# Altium PCB 769BI_LTDC.PcbDoc (part 1 of 3) (continued)
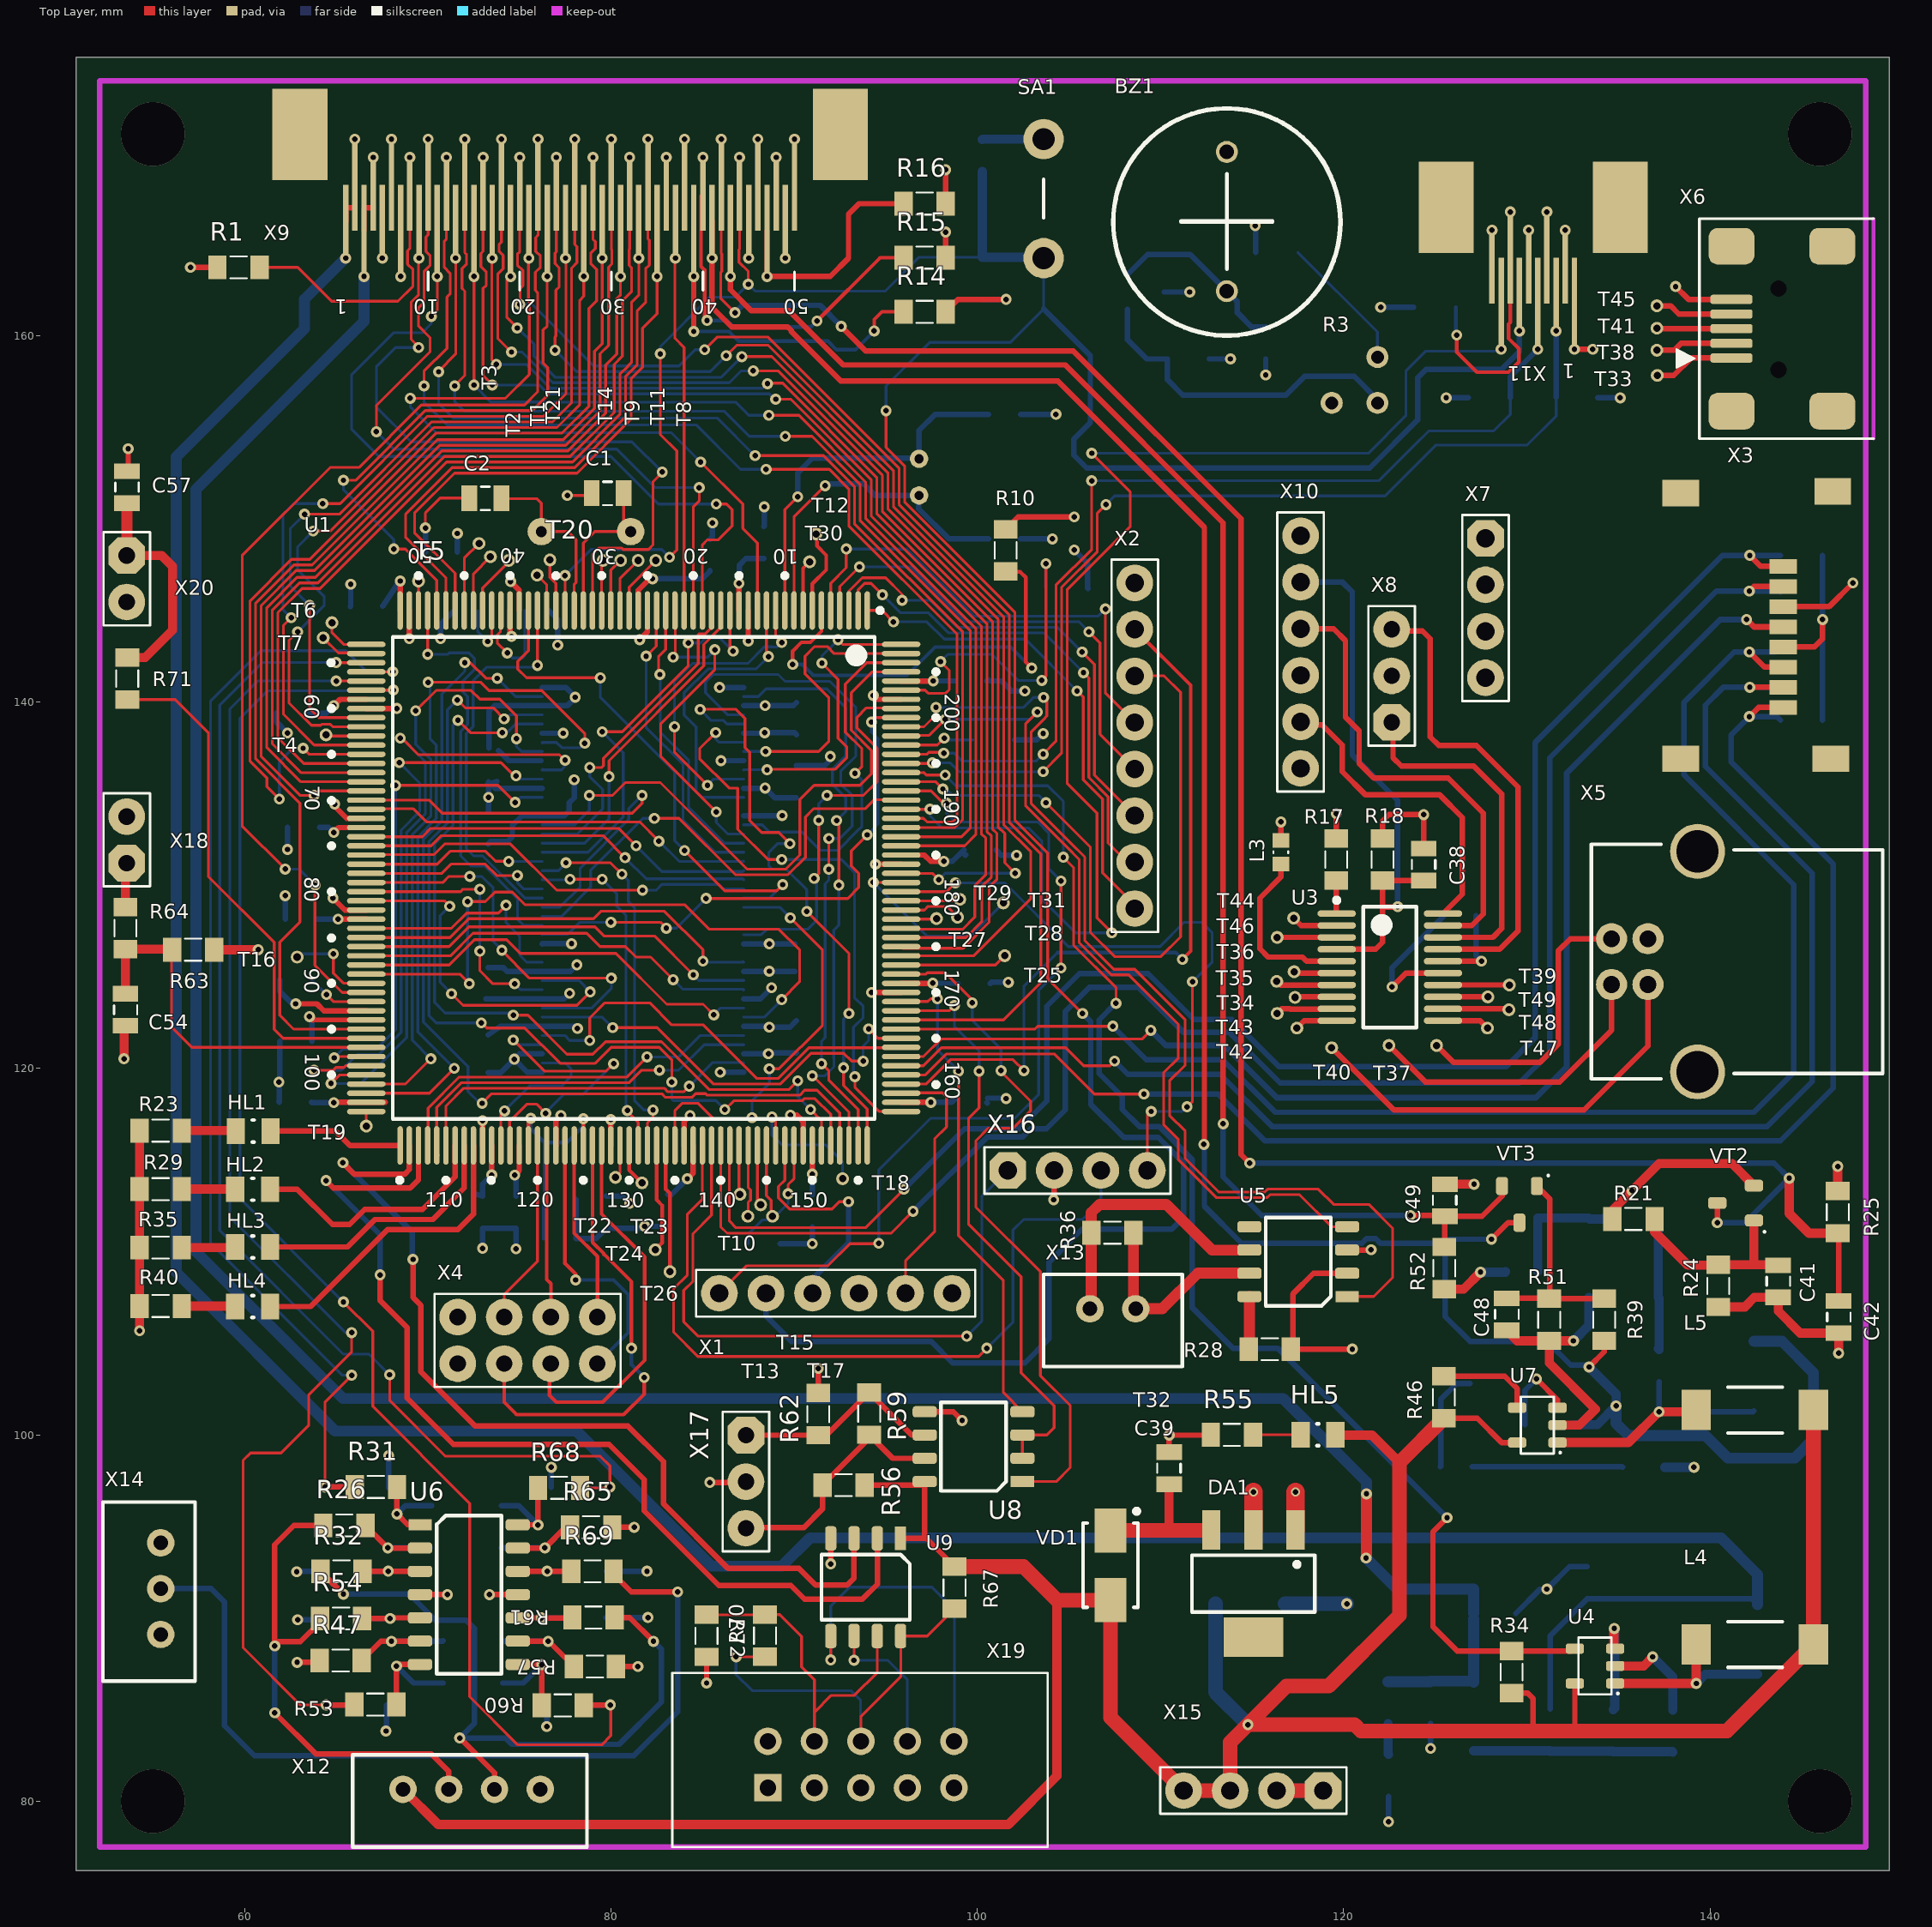
[diagram p0: Top Layer view]
## Components (designator, comment, footprint, x,y, rotation, side; value= is the part's Value field where it differs from the comment) (continued)
R25 "Val" RES0805 146.975,112.15 r90 top
R26 "Val" RES0805 65.45,95.05 r180 top
R27 "Val" RES0805 70.225,94.975 r270 bottom
R28 "Val" RES0805 115.975,104.675 r0 top
R29 "Val" RES0805 55.425,113.408 r0 top
R30 "Val" RES0805 131.275,83.875 r90 bottom
R31 "Val" RES0805 67.175,97.15 r0 top
R32 "Val" RES0805 65.3,92.55 r180 top
R33 "Val" RES0805 134.725,83.85 r90 bottom
R34 "Val" RES0805 129.175,87.05 r270 top
R35 "Val" RES0805 55.425,110.217 r0 top
R36 "Val" RES0805 107.375,111.025 r0 top
R37 "Val" RES0805 132.575,99.4 r90 bottom
R38 "Val" RES0805 126.9,103.95 r90 bottom
R39 "Val" RES0805 134.225,106.275 r270 top
R40 "Val" RES0805 55.425,107.025 r0 top
R41 "Val" RES0805 129.9,99.4 r90 bottom
R42 "Val" RES0805 137.975,83.825 r270 bottom
R43 "Val" RES0805 128.25,90.25 r180 bottom
R44 "Val" RES0805 124.748,85.4 r90 bottom
R45 "Val" RES0805 122.425,85.375 r90 bottom
R46 "Val" RES0805 125.475,102.05 r270 top
R47 "Val" RES0805 65.25,87.675 r180 top
R48 "Val" RES0805 70.85,87.6 r90 bottom
R49 "Val" RES0805 122.45,81.4 r270 bottom
R50 "Val" RES0805 136.375,98.225 r180 bottom
R51 "Val" RES0805 131.225,106.275 r90 top
R52 "Val" RES0805 125.5,109.1 r90 top
R53 "Val" RES0805 67.15,85.275 r0 top
R54 "Val" RES0805 65.275,89.975 r180 top
R55 "Val" RES0805 113.9,100 r0 top
R56 "Val" RES0805 92.7,97.25 r180 top
R57 "Val" RES0805 79.125,87.35 r0 top
R58 "Val" RES0805 74.1,87.6 r90 bottom
R59 "Val" RES0805 94.1,101.15 r90 top
R60 "Val" RES0805 77.375,85.225 r180 top
R61 "Val" RES0805 79.05,90.025 r0 top
R62 "Val" RES0805 91.325,101.125 r90 top
R63 "Val" RES0805 57.2,126.475 r0 top
R64 "Val" RES0805 53.5,127.653 r270 top
R65 "Val" RES0805 78.925,94.95 r0 top
R66 "Val" RES0805 74.025,94.975 r270 bottom
R67 "Val" RES0805 98.76,91.655 r270 top
R68 "Val" RES0805 77.175,97.1 r180 top
R69 "Val" RES0805 79,92.55 r0 top
R70 "Val" RES0805 88.41,89.03 r90 top
R71 "Val" RES0805 53.6,141.275 r270 top
R72 "Val" RES0805 85.225,89.025 r270 top
SA1 "SWT-1" SWT-1 103.625,164.225 r90 top
T1 "T" TEST 74.425,147.725 r0 top
T2 "T" TEST 73.425,147.925 r0 top
T3 "T" TEST 72.8,148.65 r0 top
T4 "T" TEST 64.45,138.2 r315 top
T5 "T" Test 69.5,146.6 r0 top
T6 "T" TEST 64.775,144.325 r315 top
T7 "T" TEST 64.3,143.5 r315 top
T8 "T" TEST 82.45,147.725 r45 top
T9 "T" TEST 81.492,147.725 r45 top
T10 "T" TEST 87.05,113.125 r270 top
T11 "T" TEST 80.533,147.725 r45 top
T12 "T" TEST 91.2,149.175 r270 top
T13 "T" TEST 87.475,111.925 r270 top
T14 "T" TEST 79.575,147.725 r45 top
T15 "T" TEST 88.175,112.55 r270 top
T16 "T" TEST 62.875,126.075 r0 top
T17 "T" TEST 88.825,111.925 r270 top
T18 "T" TEST 92.65,113.975 r270 top
T19 "T" TEST 66.65,116.85 r270 top
T20 "T" Test 76.675,147.75 r90 top
T21 "T" TEST 75.975,146.925 r270 top
T22 "T" Test 80.25,114.05 r90 top
T23 "T" TEST 81.7,113.75 r270 top
T24 "T" TEST 82.425,110.1 r225 top
T25 "T" TEST 101.5,126.15 r0 top
T26 "T" TEST 83.225,108.9 r225 top
T27 "T" TEST 97.775,128.175 r0 top
T28 "T" TEST 98.925,128.25 r0 top
T29 "T" TEST 99.05,129.225 r0 top
T30 "T" TEST 90.85,147.65 r270 top
T31 "T" TEST 101.425,129.025 r0 top
T32 "T" TEST 125.075,121.25 r180 top
T33 "T" TEST 137.125,157.825 r180 top
T34 "T" TEST 117.35,123.875 r90 top
T35 "T" TEST 116.35,124.75 r90 top
T36 "T" TEST 117.3,125.275 r90 top
T37 "T" TEST 122.475,121.25 r180 top
T38 "T" TEST 137.103,159.2 r180 top
T39 "T" TEST 129.05,124.55 r90 top
T40 "T" TEST 119.35,121.125 r180 top
T41 "T" TEST 137.103,160.4 r180 top
T42 "T" TEST 117.45,122.2 r90 top
T43 "T" TEST 116.375,123 r90 top
T44 "T" TEST 117.275,128.2 r90 top
T45 "T" TEST 137.103,161.625 r180 top
T46 "T" TEST 116.375,127.15 r90 top
T47 "T" TEST 127.85,122.2 r90 top
T48 "T" TEST 129.025,123.2 r90 top
T49 "T" TEST 127.875,123.9 r90 top
U1 "STM32F769BIT" STM-LQFP208_M 81.247,130.393 r270 top locked value=Value
U2 "MT48L-32" MICT-P-86_N 81.747,130.293 r0 bottom locked
U3 "STM32F042F4P6" STM-TSSOP20_M 122.525,125.525 r0 top
U4 "MP1540" SOT23-5 133.725,87.375 r90 top
U5 "SN65HVD230" SO8-150 117.525,109.45 r90 top
U6 "LM2902" SO14-150 72.25,91.275 r270 top
U7 "MP1540" SOT23-5 130.575,100.525 r90 top
U8 "ADM4850" SO8-150 99.8,99.35 r90 top
U9 "ADM4855" SO8-150 93.91,91.68 r180 top
VD1 "SS14" SK55AFL-TP_LOW 107.275,92.875 r270 top
VD2 "SS14" SK55AFL-TP_LOW 142.6,88.825 r270 bottom
VD3 "SS14" SK55AFL-TP_LOW 142.4,103.2 r270 bottom
VD4 "SS14" SK55AFL-TP_LOW 114.9,90.781 r0 bottom
VT1 "T_npn" SOT23 109.2,162.375 r90 bottom value=BC847
VT2 "BC857" SOT23 141.4,112.65 r90 top
VT3 "T_npn" SOT23 129.6,112.575 r180 top value=BC847
X1 "PLS-6" PLC-6 92.275,107.725 r180 top
X2 "PLS-8" PLC-8 108.6,137.61 r90 top
X3 "SDCard" 47219-2001 144,139.7 r90 top locked
X4 "PLS2-4" PLS2x4 75.325,105.025 r180 top
X5 "USB B" "USB 61729-0010BLF" 139.325,125.825 r90 top
X6 "USB_SMD_MINI-B(AB,A)" USB_SMD_MINI-B(AB,A) 143.925,160.375 r180 top
X7 "PLS-4" PLC-4 127.75,145.125 r270 top
X8 "#NAME?" PLC-3 122.625,141.425 r90 top value=PLS-3
X9 "#NAME?" FPC50 90.025,166.975 r180 top locked
X10 "PLS-6" PLC-6 117.65,142.725 r90 top
X11 "#NAME?" FPC10 132.6,163 r180 top
X12 "MX-5267-04" MX-5267-04 76.15,80.65 r180 top
X13 "MX-5267-02" MX-5267-02 108.65,106.875 r180 top
X14 "MX-5267-03" MX-5267-03 55.425,89.1 r90 top
X15 "WF-4" WF-4 115.075,80.575 r180 top
X16 "PLS-4" PLC-4 105.475,114.425 r0 top
X17 "#NAME?" PLC-3 87.375,97.44 r270 top value=PLS-3
X18 "#NAME?" PLC-2 53.575,132.475 r90 top value=PLS-2
X19 "BH-10" BH-10 93.65,82 r0 top
X20 "#NAME?" PLC-2 53.575,146.725 r270 top value=PLS-2
Y1 "8 MHz" OSC_8 78.64,149.3 r180 bottom
Y2 "32 kHz" OSC_32kHz 96.825,152.275 r0 bottom

## Footprints (in the part's own frame and the unit in brackets; to place one, negate y for a bottom-side part, rotate by r counter-clockwise, add the part's x,y. Pads: shape width x height; smd on the part's side, far side on the other; paste and mask are expansions set on the pad)
47219-2001 [mm]
  rect 0.8x1.5 smd: 1(0,0) 2(1.1,0) 3(2.2,0) 4(3.3,0) 5(4.4,0) 6(5.5,0) 7(6.6,0) 8(7.7,0)
  rect 1.45x2 smd: ""(-2.8,5.6) ""(-2.8,-2.6) ""(11.7,5.6) ""(11.8,-2.7)
  body extent -2.8,-5.15 11.8,9.35, height 2.06
BH-10 [mm]
  rect 1.5x1.5 hole 0.9: 1(-5.08,-1.27)
  round 1.5 hole 0.9: 2(-5.08,1.27) 3(-2.54,-1.27) 4(-2.54,1.27) 5(0,-1.27) 6(0,1.27) 7(2.54,-1.27) 8(2.54,1.27) 9(5.08,-1.27) 10(5.08,1.27)
  silkscreen extent -10.3,-4.5 10.2,5, body extent -10.25,-4.4 10.25,4.9, height 9.1
BUZZER [mm]
  round 1.2 hole 0.8: 1(0,0) 2(7.6,0)
  silkscreen extent -2.42,-6.2 9.97,6.2, body extent -2.32,-6 9.68,6, height 9.5
CAP0805#1 [mm] "capacitor 0805 reflow soldering"
  rect 0.85x1.4 smd: 1(-0.875,0) 2(0.875,0)
  silkscreen extent -0.25,-0.65 0.25,0.63, body extent -1,-0.63 1,0.63, height 0.78
CAP0805#2 [mm] "capacitor 0805 reflow soldering"
  rect 0.85x1.4 smd: 1(0.875,0) 2(-0.875,0)
  silkscreen extent -0.25,-0.65 0.25,0.63, body extent -1,-0.63 1,0.62, height 0.78
FPC10 [mm]
  rect 0.3x5 smd far side: 1(0,1.25) 4(1.5,-1.25) 5(2,1.25) 8(3.5,-1.25) 9(4,1.25)
  rect 0.3x5 smd: 1(0,1.25) 4(1.5,-1.25) 5(2,1.25) 8(3.5,-1.25) 9(4,1.25)
  rect 0.3x4 smd far side: 2(0.5,-0.75) 3(1,0.75) 6(2.5,-0.75) 7(3,0.75) 10(4.5,-0.75)
  rect 0.3x4 smd: 2(0.5,-0.75) 3(1,0.75) 6(2.5,-0.75) 7(3,0.75) 10(4.5,-0.75)
  rect 3x5 smd far side: ""(-2.5,-4) ""(7,-4)
  rect 3x5 smd: ""(-2.5,-4) ""(7,-4)
  Top Layer lines w0.3: 4,3.75 4,3.75 ; 3.5,-3.75 3.5,-3.75 ; 2,3.75 2,3.75
  body extent -2.72,-6.51 7.72,-1.4, height 1
FPC50 [mm]
  rect 0.3x4 smd far side: 1(24.5,0.75) 4(23,-0.75) 5(22.5,0.75) 8(21,-0.75) 9(20.5,0.75) 12(19,-0.75) 13(18.5,0.75) 16(17,-0.75) 17(16.5,0.75) 20(15,-0.75) 21(14.5,0.75) 24(13,-0.75) 25(12.5,0.75) 28(11,-0.75) 29(10.5,0.75) 32(9,-0.75) 33(8.5,0.75) 36(7,-0.75) 37(6.5,0.75) 40(5,-0.75) 41(4.5,0.75) 44(3,-0.75) 45(2.5,0.75) 48(1,-0.75) 49(0.5,0.75)
  rect 0.3x4 smd: 1(24.5,0.75) 4(23,-0.75) 5(22.5,0.75) 8(21,-0.75) 9(20.5,0.75) 12(19,-0.75) 13(18.5,0.75) 16(17,-0.75) 17(16.5,0.75) 20(15,-0.75) 21(14.5,0.75) 24(13,-0.75) 25(12.5,0.75) 28(11,-0.75) 29(10.5,0.75) 32(9,-0.75) 33(8.5,0.75) 36(7,-0.75) 37(6.5,0.75) 40(5,-0.75) 41(4.5,0.75) 44(3,-0.75) 45(2.5,0.75) 48(1,-0.75) 49(0.5,0.75)
  rect 0.3x5 smd far side: 2(24,-1.25) 3(23.5,1.25) 6(22,-1.25) 7(21.5,1.25) 10(20,-1.25) 11(19.5,1.25) 14(18,-1.25) 15(17.5,1.25) 18(16,-1.25) 19(15.5,1.25) 22(14,-1.25) 23(13.5,1.25) 26(12,-1.25) 27(11.5,1.25) 30(10,-1.25) 31(9.5,1.25) 34(8,-1.25) 35(7.5,1.25) 38(6,-1.25) 39(5.5,1.25) 42(4,-1.25) 43(3.5,1.25) 46(2,-1.25) 47(1.5,1.25) 50(0,-1.25)
  rect 0.3x5 smd: 2(24,-1.25) 3(23.5,1.25) 6(22,-1.25) 7(21.5,1.25) 10(20,-1.25) 11(19.5,1.25) 14(18,-1.25) 15(17.5,1.25) 18(16,-1.25) 19(15.5,1.25) 22(14,-1.25) 23(13.5,1.25) 26(12,-1.25) 27(11.5,1.25) 30(10,-1.25) 31(9.5,1.25) 34(8,-1.25) 35(7.5,1.25) 38(6,-1.25) 39(5.5,1.25) 42(4,-1.25) 43(3.5,1.25) 46(2,-1.25) 47(1.5,1.25) 50(0,-1.25)
  rect 3x5 smd far side: ""(-2.5,-4) ""(27,-4)
  rect 3x5 smd: ""(-2.5,-4) ""(27,-4)
  Top Layer lines w0.3: 6,-3.75 6,-3.75
  Bottom Layer lines w0.3: 11.5,3.75 11.5,3.75 ; 7,-2.5 7,-2.5 ; 5,-2.5 5,-2.5 ; 3.5,3.75 3.5,3.75 ; 3,-2.5 3,-2.5 ; 1.5,3.75 1.5,3.75 ; 1,-2.5 1,-2.5
  silkscreen extent 0,3.5 20,4.5, body extent -2.55,-7.42 27.98,-0.2, height 2
L_CDRH74-100 [mm]
  rect 1.6x2.2 smd: 1(-3.2,0) 2(3.2,0)
  silkscreen extent -1.5,-1.25 1.48,1.25, body extent -3.65,-3.65 3.65,3.65, height 4.39
LED_SMD [mm] "Chip Diode, 2-Leads, Body 2,00x1,25mm, IPC Medium Density"
  rect 1x1.4 smd: 1(-0.95,0) 2(0.95,0)
  silkscreen extent -0.05,-0.6 0.05,0.6, body extent -1,-0.63 1,0.62, height 0.74
MICT-P-86_N [mm] "SOP, 86-Leads, Body 22.22x10.6mm, Pitch 0.5mm, , IPC Medium Density"
  oval 1.6x0.3 smd: 1(-5.5,10.5) 2(-5.5,10) 3(-5.5,9.5) 4(-5.5,9) 5(-5.5,8.5) 6(-5.5,8) 7(-5.5,7.5) 8(-5.5,7) 9(-5.5,6.5) 10(-5.5,6) 11(-5.5,5.5) 12(-5.5,5) 13(-5.5,4.5) 14(-5.5,4) 15(-5.5,3.5) 16(-5.5,3) 17(-5.5,2.5) 18(-5.5,2) 19(-5.5,1.5) 20(-5.5,1) 21(-5.5,0.5) 22(-5.5,0) 23(-5.5,-0.5) 24(-5.5,-1) 25(-5.5,-1.5) 26(-5.5,-2) 27(-5.5,-2.5) 28(-5.5,-3) 29(-5.5,-3.5) 30(-5.5,-4) 31(-5.5,-4.5) 32(-5.5,-5) 33(-5.5,-5.5) 34(-5.5,-6) 35(-5.5,-6.5) 36(-5.5,-7) 37(-5.5,-7.5) 38(-5.5,-8) 39(-5.5,-8.5) 40(-5.5,-9) 41(-5.5,-9.5) 42(-5.5,-10) 43(-5.5,-10.5) 44(5.5,-10.5) 45(5.5,-10) 46(5.5,-9.5) 47(5.5,-9) 48(5.5,-8.5) 49(5.5,-8) 50(5.5,-7.5) 51(5.5,-7) 52(5.5,-6.5) 53(5.5,-6) 54(5.5,-5.5) 55(5.5,-5) 56(5.5,-4.5) 57(5.5,-4) 58(5.5,-3.5) 59(5.5,-3) 60(5.5,-2.5) 61(5.5,-2) 62(5.5,-1.5) 63(5.5,-1) 64(5.5,-0.5) 65(5.5,0) 66(5.5,0.5) 67(5.5,1) 68(5.5,1.5) 69(5.5,2) 70(5.5,2.5) 71(5.5,3) 72(5.5,3.5) 73(5.5,4) 74(5.5,4.5) 75(5.5,5) 76(5.5,5.5) 77(5.5,6) 78(5.5,6.5) 79(5.5,7) 80(5.5,7.5) 81(5.5,8) 82(5.5,8.5) 83(5.5,9) 84(5.5,9.5) 85(5.5,10) 86(5.5,10.5)
  silkscreen extent -6.97,-11.15 6.98,11.32, body extent -5.94,-11.15 5.84,11.15, height 1.46
MX-5267-02 [mm]
  round 1.5 hole 0.8: 1(0,0) 2(2.5,0)
  silkscreen extent -2.55,-1.88 5.02,3.15, body extent -2.43,-1.81 4.97,3.09, height 6.95
MX-5267-03 [mm]
  round 1.5 hole 0.8: 1(0,0) 2(2.5,0) 3(5,0)
  silkscreen extent -2.55,-1.88 7.22,3.15, body extent -2.53,-1.86 7.37,3.04, height 6.95
MX-5267-04 [mm]
  round 1.5 hole 0.8: 1(0,0) 2(2.5,0) 3(5,0) 4(7.5,0)
  silkscreen extent -2.55,-1.88 10.25,3.15, body extent -2.35,-1.78 10.05,3.12, height 6.95
OSC_8 [mm]
  round 1.5 hole 0.6: 1(-2.44,0) 2(2.44,0)
  silkscreen extent -5.5,-2.25 5.5,2.25, body extent -5.5,-2.25 5.5,2.25, height 3.7
OSC_32kHz [mm]
  rect 5x2.5 smd: 0(5,0)
  round 1 hole 0.5: 1(0,1) 2(0,-1)
  body extent 0.11,-1 7.25,1, height 3
PLC-2 [mm]
  oct 2x2 hole 0.9: 1(-1.27,0)
  round 2 hole 0.9: 2(1.27,0)
  silkscreen extent -2.54,-1.27 2.54,1.27, body extent -2.54,-1.27 2.54,1.27, height 10.1
PLC-3 [mm]
  oct 2x2 hole 0.9: 1(-2.54,0)
  round 2 hole 0.9: 2(0,0) 3(2.54,0)
  silkscreen extent -3.81,-1.27 3.81,1.27, body extent -3.81,-1.27 3.81,1.27, height 10.1
PLC-4 [mm]
  oct 2x2 hole 1: 1(-3.81,0)
  round 2 hole 1: 2(-1.27,0) 3(1.27,0) 4(3.81,0)
  silkscreen extent -5.08,-1.27 5.08,1.27, body extent -5.08,-1.27 5.08,1.27, height 10.1
PLC-6 [mm]
  round 2 hole 1: 1(-6.35,0) 2(-3.81,0) 3(-1.27,0) 4(1.27,0) 5(3.81,0) 6(6.35,0)
  silkscreen extent -7.62,-1.27 7.62,1.27, body extent -7.62,-1.27 7.62,1.27, height 10.1
PLC-8 [mm]
  round 2 hole 1: 1(-8.89,0) 2(-6.35,0) 3(-3.81,0) 4(-1.27,0) 5(1.27,0) 6(3.81,0) 7(6.35,0) 8(8.89,0)
  silkscreen extent -10.16,-1.27 10.16,1.27, body extent -10.16,-1.27 10.16,1.27, height 10.1
PLS2x4 [mm]
  round 2 hole 0.9: 1(-3.937,-1.397) 2(-3.937,1.143) 3(-1.397,-1.397) 4(-1.397,1.143) 5(1.143,-1.397) 6(1.143,1.143) 7(3.683,-1.397) 8(3.683,1.143)
  silkscreen extent -5.21,-2.67 4.95,2.41, body extent -5.21,-2.67 4.95,2.41, height 10.1
RES0603 [mm] "resistor 0603 reflow soldering"
  rect 0.8x0.9 smd: 1(-0.65,0) 2(0.65,0)
  silkscreen extent -0.05,-0.4 0.05,0.4, body extent -0.8,-0.4 0.8,0.4, height 0.45
RES0805 [mm] "resistor 0805 wave soldering"
  rect 1x1.3 smd: 1(-1.15,0) 2(1.15,0)
  silkscreen extent -0.45,-0.6 0.45,0.6, body extent -1,-0.63 1,0.63, height 0.5
RES_VAR [mm]
  round 1.2 hole 0.7: 1(0,0) 2(2.5,2.5) 3(2.5,0)
SK55AFL-TP_LOW [mm] "SODFL, 2-Leads, Body 2,60x5,00mm, IPC Low Density"
  rect 2.4x1.75 smd: 1(-1.9,0) 2(1.9,0)
  silkscreen extent -3.07,-1.5 2.3,1.55, body extent -2.5,-1.48 2.5,1.48, height 1.2
SO8-150 [mil]
  rect 24x50 smd mask+4: 1(-75,-105)
  rrect50% 24x52 smd mask+4: 2(-25,-105) 3(25,-105) 4(75,-105) 5(75,105) 6(25,105) 7(-25,105) 8(-75,105)
  silkscreen extent -95,-70 95,70, body extent -95,-122 95,122, height 67
SO14-150 [mil]
  rect 24x50 smd mask+4: 1(-150,-105)
  rrect50% 24x52 smd mask+4: 2(-100,-105) 3(-50,-105) 4(0,-105) 5(50,-105) 6(100,-105) 7(150,-105) 8(150,105) 9(100,105) 10(50,105) 11(0,105) 12(-50,105) 13(-100,105) 14(-150,105)
  silkscreen extent -170,-69 170,70, body extent -170,-122 170,122, height 67
SOD-80 [mm]
  rect 1.25x2 smd: 1(-1.875,0) 2(1.875,0)
  silkscreen extent -3,-1.5 3.5,1.5, body extent -1.85,-0.8 1.85,0.8, height 0.8
SOT23 [mm] "SOT-23; 3 Leads; Body 3.0 x 2.6 mm Pitch 0.95mm"
  rrect50% 0.65x1 smd: 1(-0.95,-1) 2(0.95,-1) 3(0,1)
  silkscreen extent -1.63,-1.63 -1.52,-1.52, body extent -1.46,-1.23 1.46,1.24, height 1
SOT23-5 [mm] "SOT23, 5-Leads, Body 2.9x1.3mm, Pitch 0.95mm, Lead Span 2.5mm"
  rrect50% 0.55x1 smd: 1(-0.95,-1.1) 2(0,-1.1) 3(0.95,-1.1) 4(0.95,1.1) 5(-0.95,1.1)
  silkscreen extent -1.55,-1.3 1.55,0.9, body extent -1.45,-1.42 1.45,1.38, height 1.09
SOT233 [mm] "SOT223 4-Leads"
  rect 2.15x1 smd: 1(-2.925,2.3) 2(-2.925,0) 3(-2.925,-2.3)
  rect 2.15x3.25 smd: 4(2.925,0)
  silkscreen extent -1.55,-3.35 1.55,3.35, body extent -3.48,-3.25 3.48,3.25, height 1.4
STM-LQFP208_M [mm] "QFP, 208-Leads, Body 28x28mm, Pitch 0.5mm, IPC Low Density"
  oval 2.1x0.3 smd: 1(-14.6,12.75) 2(-14.6,12.25) 3(-14.6,11.75) 4(-14.6,11.25) 5(-14.6,10.75) 6(-14.6,10.25) 7(-14.6,9.75) 8(-14.6,9.25) 9(-14.6,8.75) 10(-14.6,8.25) 11(-14.6,7.75) 12(-14.6,7.25) 13(-14.6,6.75) 14(-14.6,6.25) 15(-14.6,5.75) 16(-14.6,5.25) 17(-14.6,4.75) 18(-14.6,4.25) 19(-14.6,3.75) 20(-14.6,3.25) 21(-14.6,2.75) 22(-14.6,2.25) 23(-14.6,1.75) 24(-14.6,1.25) 25(-14.6,0.75) 26(-14.6,0.25) 27(-14.6,-0.25) 28(-14.6,-0.75) 29(-14.6,-1.25) 30(-14.6,-1.75) 31(-14.6,-2.25) 32(-14.6,-2.75) 33(-14.6,-3.25) 34(-14.6,-3.75) 35(-14.6,-4.25) 36(-14.6,-4.75) 37(-14.6,-5.25) 38(-14.6,-5.75) 39(-14.6,-6.25) 40(-14.6,-6.75) 41(-14.6,-7.25) 42(-14.6,-7.75) 43(-14.6,-8.25) 44(-14.6,-8.75) 45(-14.6,-9.25) 46(-14.6,-9.75) 47(-14.6,-10.25) 48(-14.6,-10.75) 49(-14.6,-11.25) 50(-14.6,-11.75) 51(-14.6,-12.25) 52(-14.6,-12.75) 105(14.6,-12.75) 106(14.6,-12.25) 107(14.6,-11.75) 108(14.6,-11.25) 109(14.6,-10.75) 110(14.6,-10.25) 111(14.6,-9.75) 112(14.6,-9.25) 113(14.6,-8.75) 114(14.6,-8.25) 115(14.6,-7.75) 116(14.6,-7.25) 117(14.6,-6.75) 118(14.6,-6.25) 119(14.6,-5.75) 120(14.6,-5.25) 121(14.6,-4.75) 122(14.6,-4.25) 123(14.6,-3.75) 124(14.6,-3.25) 125(14.6,-2.75) 126(14.6,-2.25) 127(14.6,-1.75) 128(14.6,-1.25) 129(14.6,-0.75) 130(14.6,-0.25) 131(14.6,0.25) 132(14.6,0.75) 133(14.6,1.25) 134(14.6,1.75) 135(14.6,2.25) 136(14.6,2.75) 137(14.6,3.25) 138(14.6,3.75) 139(14.6,4.25) 140(14.6,4.75) 141(14.6,5.25) 142(14.6,5.75) 143(14.6,6.25) 144(14.6,6.75) 145(14.6,7.25) 146(14.6,7.75) 147(14.6,8.25) 148(14.6,8.75) 149(14.6,9.25) 150(14.6,9.75) 151(14.6,10.25) 152(14.6,10.75) 153(14.6,11.25) 154(14.6,11.75) 155(14.6,12.25) 156(14.6,12.75)
  oval 0.3x2.1 smd: 53(-12.75,-14.6) 54(-12.25,-14.6) 55(-11.75,-14.6) 56(-11.25,-14.6) 57(-10.75,-14.6) 58(-10.25,-14.6) 59(-9.75,-14.6) 60(-9.25,-14.6) 61(-8.75,-14.6) 62(-8.25,-14.6) 63(-7.75,-14.6) 64(-7.25,-14.6) 65(-6.75,-14.6) 66(-6.25,-14.6) 67(-5.75,-14.6) 68(-5.25,-14.6) 69(-4.75,-14.6) 70(-4.25,-14.6) 71(-3.75,-14.6) 72(-3.25,-14.6) 73(-2.75,-14.6) 74(-2.25,-14.6) 75(-1.75,-14.6) 76(-1.25,-14.6) 77(-0.75,-14.6) 78(-0.25,-14.6) 79(0.25,-14.6) 80(0.75,-14.6) 81(1.25,-14.6) 82(1.75,-14.6) 83(2.25,-14.6) 84(2.75,-14.6) 85(3.25,-14.6) 86(3.75,-14.6) 87(4.25,-14.6) 88(4.75,-14.6) 89(5.25,-14.6) 90(5.75,-14.6) 91(6.25,-14.6) 92(6.75,-14.6) 93(7.25,-14.6) 94(7.75,-14.6) 95(8.25,-14.6) 96(8.75,-14.6) 97(9.25,-14.6) 98(9.75,-14.6) 99(10.25,-14.6) 100(10.75,-14.6) 101(11.25,-14.6) 102(11.75,-14.6) 103(12.25,-14.6) 104(12.75,-14.6) 157(12.75,14.6) 158(12.25,14.6) 159(11.75,14.6) 160(11.25,14.6) 161(10.75,14.6) 162(10.25,14.6) 163(9.75,14.6) 164(9.25,14.6) 165(8.75,14.6) 166(8.25,14.6) 167(7.75,14.6) 168(7.25,14.6) 169(6.75,14.6) 170(6.25,14.6) 171(5.75,14.6) 172(5.25,14.6) 173(4.75,14.6) 174(4.25,14.6) 175(3.75,14.6) 176(3.25,14.6) 177(2.75,14.6) 178(2.25,14.6) 179(1.75,14.6) 180(1.25,14.6) 181(0.75,14.6) 182(0.25,14.6) 183(-0.25,14.6) 184(-0.75,14.6) 185(-1.25,14.6) 186(-1.75,14.6) 187(-2.25,14.6) 188(-2.75,14.6) 189(-3.25,14.6) 190(-3.75,14.6) 191(-4.25,14.6) 192(-4.75,14.6) 193(-5.25,14.6) 194(-5.75,14.6) 195(-6.25,14.6) 196(-6.75,14.6) 197(-7.25,14.6) 198(-7.75,14.6) 199(-8.25,14.6) 200(-8.75,14.6) 201(-9.25,14.6) 202(-9.75,14.6) 203(-10.25,14.6) 204(-10.75,14.6) 205(-11.25,14.6) 206(-11.75,14.6) 207(-12.25,14.6) 208(-12.75,14.6)
  silkscreen extent -16.62,-16.65 16.62,16.63, body extent -15.29,-15.27 15.29,15.32, height 3.6
STM-TSSOP20_M [mm] "SOP, 20-Leads, Body 6.6x4.5mm, Pitch 0.65mm, IPC Low Density"
  oval 2.1x0.35 smd: 1(-2.9,2.925) 2(-2.9,2.275) 3(-2.9,1.625) 4(-2.9,0.975) 5(-2.9,0.325) 6(-2.9,-0.325) 7(-2.9,-0.975) 8(-2.9,-1.625) 9(-2.9,-2.275) 10(-2.9,-2.925) 11(2.9,-2.925) 12(2.9,-2.275) 13(2.9,-1.625) 14(2.9,-0.975) 15(2.9,-0.325) 16(2.9,0.325) 17(2.9,0.975) 18(2.9,1.625) 19(2.9,2.275) 20(2.9,2.925)
  silkscreen extent -3.02,-3.3 1.45,3.77, body extent -3.3,-3.3 3.25,3.33, height 1.2
SWT-1 [mm]
  round 2.2 hole 1.2: 1(0,0) 2(6.5,0)
  silkscreen extent 2.2,0 4.3,0, body extent -1.95,-1.87 8.25,1.63, height 4.3
TEST [mm]
  round 0.7 hole 0.4: 1(0,0)
Test [mm]
  round 0.7 hole 0.4: 1(0,0)
"USB 61729-0010BLF" [mm]
  round 1.7 hole 0.92: 1(1.25,4.7) 2(-1.25,4.7) 3(-1.25,2.71) 4(1.25,2.71)
  round 3 hole 2.3: S(-6.02,0) S(6.02,0)
  silkscreen extent -6.4,-10.1 6.4,5.8, body extent -6.56,-10.18 6.56,5.76, height 11
USB_SMD_MINI-B(AB,A) [mm]
  rrect50% 2.3x0.5 smd: 1(2.75,1.6) 2(2.75,0.8) 3(2.75,0) 4(2.75,-0.8) 5(2.75,-1.6)
  rrect50% 2.5x2 smd: 6(-2.75,4.5) 6(-2.75,-4.5) 6(2.75,4.5) 6(2.75,-4.5)
  round 0.1 hole 0.9: 10(0.188,2.25) 11(0.187,-2.187)
  Keep-Out Layer lines w0.2: -5,6 -5,-6
  silkscreen extent -5,-6 5.76,6, body extent -5.7,-4.95 3.8,4.95, height 3.97
WF-4 [mm]
  oct 2x2 hole 1: 1(-3.81,0)
  round 2 hole 1: 2(-1.27,0) 3(1.27,0) 4(3.81,0)
  silkscreen extent -5.08,-1.27 5.08,1.27, body extent -5.08,-3.2 5.08,2.7, height 11.73

## Part data
BZ1: library part BUZZER, "BUZ"
C1 C2 C3 C4 C5 C6 C7 C8 C9 C10 C11 C12 C13 C14 C15 C16 C17 C18 C19 C20 C21 C22 C23 C24 C25 C26 C27 C28 C29 C30 C31 C32 C33 C34 C35 C36 C37 C38 C39 C40 C41 C42 C43 C44 C45 C46 C47 C48 C49 C50 C51 C52 C53 C54 C55 C56 C57: library part CAP_smd_0805, "Capacitor", LatestRevisionDate=17-Jul-2002, LatestRevisionNote="Re-released for DXP Platform.", PackageDescription="Radial Cap, Thru-Hole; 2 Leads; 0.3 in Pin Spacing", PackageReference=RAD-0.3, Published=8-Jun-2000, Publisher="Altium Limited"
D1 D2 D3: library part Diod_SMD, Manufacturer 1=Kingbright, Manufacturer Part Number 1=APT2012CGCK, Operating temperature range="(-40 ... +85) °C", Supplier Part Number 1=754-1127-6-ND, ComponentLink1Description=Datasheet, ComponentLink1URL=http://www.kingbrightusa.com/images/catalog/SPEC/APT2012CGCK.pdf, Supplier 1=Digikey, Supplier Unit Price 1="1=0.47, 10=0.35, 25=0.28, 100=0.1855, 250=0.13124, 500=0.11200, 1000=0.08750 (USD)", Type=LL4148
HL1 HL2 HL3 HL4 HL5: library part LED_SMD, "LED_SMD", Manufacturer 1=Kingbright, Manufacturer Part Number 1=APT2012CGCK, Operating temperature range="(-40 ... +85) °C", Supplier Part Number 1=754-1127-6-ND, ComponentLink1Description=Datasheet, ComponentLink1URL=http://www.kingbrightusa.com/images/catalog/SPEC/APT2012CGCK.pdf, Supplier 1=Digikey, Supplier Unit Price 1="1=0.47, 10=0.35, 25=0.28, 100=0.1855, 250=0.13124, 500=0.11200, 1000=0.08750 (USD)", Type=KP-2012EC
L1 L2 L3: library part BLM18RK102SN1D, "Ferrite Bead", Manufacturer 1=Coilcraft, Manufacturer Part Number 1=CDRH74NP-100MC/SUMIDA, Operating temperature range="(-40 ... +85) °C", Tolerance=±20%, ComponentLink1Description=Datasheet, ComponentLink1URL=http://www.mouser.com/ds/2/390/CDRH74-514269.pdf, Supplier 1=Digikey
L4 L5: library part "L 10uH 1.84A SMT 7.5x7.5x4.5", "CDRH74NP-100MC/SUMIDA", Manufacturer 1=Coilcraft, Operating temperature range="(-40 ... +85) °C", Tolerance=±20%, ComponentLink1Description=Datasheet, ComponentLink1URL=http://www.mouser.com/ds/2/390/CDRH74-514269.pdf, Manufacturer Part Number 1=CDRH74NP-100MC/SUMIDA, Supplier 1=Digikey
R1 R2 R4 R5 R6 R7 R8 R9 R10 R11 R12 R13 R14 R15 R16 R17 R18 R19 R20 R21 R22 R23 R24 R25 R26 R27 R28 R29 R30 R31 R32 R33 R34 R35 R36 R37 R38 R39 R40 R41 R42 R43 R44 R45 R46 R47 R48 R49 R50 R51 R52 R53 R54 R55 R56 R57 R58 R59 R60 R61 R62 R63 R64 R65 R66 R67 R68 R69 R70 R71 R72: library part RES_smd_0805, "Resistor"
R3: library part RES_VAR, "Resistor"
SA1: "Button", LatestRevisionDate=17-Jul-2002, LatestRevisionNote="Re-released for DXP Platform.", PackageDescription="Crystal, Thru-Hole; 2 Leads; Body 3.1 x 8.2 mm (Dia.xH)", PackageReference=R38, Published=8-Jun-2000, Publisher="Altium Limited"
T1 T2 T3 T4 T5 T6 T7 T8 T9 T10 T11 T12 T13 T14 T15 T16 T17 T18 T19 T20 T21 T22 T23 T24 T25 T26 T27 T28 T29 T30 T31 T32 T33 T34 T35 T36 T37 T38 T39 T40 T41 T42 T43 T44 T45 T46 T47 T48 T49: library part Test, "Test"
U1: "STM32F769BI", Manufacturer_Part_Number=stm32f769bxt, C="Copyright (C) 2016 Accelerated Designs. All rights reserved", Copyright="Copyright (C) 2016 Accelerated Designs. All rights reserved", RefDes=RefDes, Type=Type, Vendor=STMicroelectronics
U2: "256Mb PC133 SDR SDRAM, 16Mb x 16, 7.5ns, 3.3V, 0 to 70 degC, 54-Pin TSOP", Manufacturer=Micron, Op. Temp.="0C to +70C", PartNumber=MT48LC16M16A2TG-75, Voltage=3.3V, CL="CL = 3", Clock Rate="133 MHz", ComponentLink1Description="Manufacturer URL", ComponentLink1URL=http://www.micron.com/, ComponentLink2Description=Datasheet, ComponentLink2URL=http://www.micron.com/~/media/Documents/Products/Data%20Sheet/DRAM/256Mb_sdr.pdf, ComponentLink3Description="Package Specification", ComponentLink3URL=http://www.micron.com/~/media/Documents/Products/Data%20Sheet/DRAM/256Mb_sdr.pdf, Cycle Time=7.5ns, Data Rate=PC133, DatasheetVersion=Rev.Q, Density=256Mb, Depth=16Mb, Mounting Technology="Surface Mount", PackageDescription="54-Pin Thin Small Outline Package, 10.16 x 22.22 mm, Pitch 0.8 mm", PackageReference=MICT-TG-54, PackageVersion=Rev.Q, RoHS=5/6, Width=x16
U3: "ARM Cortex-M0 32-bit MCU, 16 KB Flash, 4 KB Internal RAM, 15 I/Os, 20-pin TSSOP, -40 to 85 degC, Tube", I/Os (High Current)=15, Operating Frequency(F) (Processor speed) (MHz)=48, PartNumber=STM32F030F4P6, Supplier Part Number 1=497-14044-5-ND, Supply Voltage(Vcc) min (V)=2.4, ComponentLink1Description="Manufacturer URL", ComponentLink1URL=http://www.st.com/web/en/home.html, ComponentLink2Description=Datasheet, ComponentLink2URL=http://www.st.com/st-web-ui/static/active/en/resource/technical/document/datasheet/DM00088500.pdf, ComponentLink3Description="Package Specification", ComponentLink3URL=http://www.st.com/st-web-ui/static/active/en/resource/technical/document/datasheet/DM00065136.pdf, Core="ARM Cortex-M0", DatasheetVersion="Rev. 1", FLASH Size (Prog) (kB)=16, Internal RAM Size (kB)=4, Mounting Technology="Surface Mount", PackageDescription="20-Pin Thin Shrink Small Outline Package, 6.5 x 4.4 mm Body, 0.65 mm Pitch", PackageReference=TSSOP20, PackageVersion="Rev. 1, 11/2012", Packing=Tube, Supplier 1=Digi-Key, Supplier 2=Newark, Supplier 3=Mouser, Supplier Part Number 2=06X3648, Supplier Part Number 3=511-STM32F030F4P6
U5: "CAN_driver"
U6: "OA"
U8: "RS485-half"
U9: "RS485-full"
VD1 VD2 VD3 VD4: library part SK55AFL-TP, "5.0 Amp Schottky Rectifier", Manufacturer 1="Micro Commercial Co", Operating temperature range="(-55 ... +125) °C", Supplier Part Number 1=SK55AFL-TPMSDKR-ND, ComponentLink1Description=Datasheet, ComponentLink1URL=http://www.mccsemi.com/up_pdf/SK52AFL-SK5200AFL(DO-221AC).pdf, Manufacturer Part Number 1=SK55AFL-TP, Supplier 1=Digikey, Supplier Unit Price 1="1=0.63, 10=0.527, 25=0.462, 100=0.3955, 250=0.34304, 500=0.29056, 1000=0.224 (USD)", Type=SS14
VT1 VT3: library part T_npn_BC847
VT2: library part T_pnp_BC857, "T_pnp"
X3: library part 47219-2001, "SD_Card_Holder"
X5: library part "USB 2.0 Type B"
X8 X17: library part PLS-3, "PLS-3"
X9: library part FFC_FPC_50_Pin_Top_Connect_0.5mm, "LCD TFT connector"
X11: library part FFC_FPC_10_Pin_Top_Connect_0.5mm, "Touch panel connector"
X12: "Molex_4pin"
X13: "Molex_2pin"
X14: "Molex_3pin"
X18 X20: library part PLS-2, "PLS-2"
Y1: library part XTAL, "Crystal Oscillator", LatestRevisionDate=17-Jul-2002, LatestRevisionNote="Re-released for DXP Platform.", PackageDescription="Crystal, Thru-Hole; 2 Leads; Body 3.1 x 8.2 mm (Dia.xH)", PackageReference=R38, Published=8-Jun-2000, Publisher="Altium Limited"
Y2: library part XTAL_32kHz, "Crystal Oscillator", LatestRevisionDate=17-Jul-2002, LatestRevisionNote="Re-released for DXP Platform.", PackageDescription="Crystal, Thru-Hole; 2 Leads; Body 3.1 x 8.2 mm (Dia.xH)", PackageReference=R38, Published=8-Jun-2000, Publisher="Altium Limited"
DA1: Type=LM1117-3.3
X1 X10: Type=PLS-6
X2: Type=PLS-8
X4: Type=PLS2-4

## Via types
v1: diameter 0.6, hole 0.3, Top Layer to Bottom Layer, 509 vias
v2: diameter 3.5, hole 3.5, Top Layer to Bottom Layer, 4 vias
v3: diameter 0.5, hole 0.3, Top Layer to Bottom Layer, 2 vias

## Nets (pads, with @x,y where several pads share a name; then routed paths per layer and width w, separated by ;. In a path a pad name is that pad's centre, name@x,y a point inside that pad or via, vN(x,y) a via of type N, cw(c..) or ccw(c..) an arc to the next point about the centre after c; other vN are vias at no path point)
+11_V: C49.2 R52.2 VT3.2 X9.43 | length 87.4
  Top Layer w0.3: v1(86.525,163.225) 86.525,162.5 87.675,161.35 89.725,161.35 92.675,158.4 104.8,158.4 113.425,149.775 v1(113.425,116.975) ; v1(123.65,111.975) 125.475,111.975 C49.2@125.525,111.925 ; R52.2@125.5,110.25 125.525,110.275 C49.2@125.525,111.925 ; VT3.2@128.65,113.575 128.65,113.025 127.55,111.925 C49.2@125.525,111.925
  Bottom Layer w0.3: v1(113.425,116.975) 113.425,114.075 115.527,111.973 123.648,111.973 v1(123.65,111.975)
+16_V: R37.2 R38.2 R39.2 VD3.1 VT3.3 X9.41 | length 133.1
  Top Layer w0.3: X9.41@85.525,166.225 v1(85.525,164.225) 85.525,161.55 86.6,160.475 89.65,160.475 89.848,160.277 89.848,160.226 92.549,157.525 104.4,157.525 112.4,149.525 112.4,115.875 v1(112.375,115.85) ; v1(128.075,110.675) 128.975,111.575 VT3.3@129.6,111.575 ; v1(133.4,103.7) 134.225,104.525 R39.2@134.225,105.125
  Bottom Layer w0.3: v1(112.375,115.85) 112.4,115.825 112.4,112.475 114.425,110.45 120.999,110.45 121.251,110.702 121.749,110.702 122.001,110.45 125.55,110.45 ; v1(128.075,110.675) 125.775,110.675 125.55,110.45 ; v1(133.4,103.7) 133.3,103.8 132.4,103.8 131.1,105.1 R38.2@126.9,105.1 125.55,106.45 125.55,110.45
  Bottom Layer w0.5: R37.2@132.575,100.55 133.85,100.55 v1(134.875,101.575) 134.875,102.225 v1(133.4,103.7)
  Bottom Layer w0.6: v1(134.875,101.575) 134.875,100.625 135.55,99.95 139.75,99.95 140.975,98.725 144.625,98.725 145.65,99.75 145.65,103.375 143.925,105.1 VD3.1@142.4,105.1
+LED_TFT: C43.2 R30.2 VD2.1 X9.1 X9.2 | length 173.2
  Top Layer w0.3: X9.1@65.525,166.225 65.525,166.975 65.875,166.975
  Bottom Layer w0.3: X9.1@65.525,166.975 X9.2@66.025,166.975 ; R30.2@131.275,85.025 131.275,89.025 C43.2@133.3,91.05 142.275,91.05 VD2.1@142.6,90.725
  Bottom Layer w0.6: v1(65.525,164.225) 63.275,161.975 63.275,160.375 56.275,153.375 56.275,108.875 64.95,100.2 78.125,100.2 85.5,92.825 89.325,92.825 90.875,94.375 140.6,94.375 142.6,92.375 VD2.1@142.6,90.725
  other v1: 66.025,170.725
-7_V: C42.2 R25.1 VT2.3 X9.42 | length 118.6
  Top Layer w0.152: X9.42@86.025,166.975 86.025,164.472 86.053,164.444 86.053,163.5 85.997,163.444 85.997,162.028 v1(86.775,161.25)
  Top Layer w0.3: v1(92.575,160.5) 93.925,159.15 105.25,159.15 114.4,150 114.4,115.3 v1(114.875,114.825) ; v1(140.4,111.575) VT2.3@140.4,112.65 ; R25.1@146.975,111 147.025,110.95 C42.2@147.025,107.3
  Top Layer w0.5: v1(144.325,114) 144.325,112.075 145.4,111 R25.1@146.975,111
  Bottom Layer w0.3: v1(86.775,161.25) 87.175,161.65 91.425,161.65 v1(92.575,160.5) ; v1(114.875,114.825) 143.5,114.825 v1(144.325,114) 141.9,111.575 v1(140.4,111.575)
  other v1: 86.025,170.725
-LED_TFT: D3.1 R43.2 R44.2 R45.2 X9.3 X9.4 | length 148.5
  Top Layer w0.3: X9.3@66.525,165.725 66.525,167 66.55,166.975 66.875,166.975
  Top Layer w0.6: v1(121.225,93.275) 121.25,93.3 v1(121.25,96.775)
  Bottom Layer w0.3: X9.3@66.525,166.975 X9.4@67.025,166.975
  Bottom Layer w0.6: v1(66.525,163.225) 66.525,160.775 57.35,151.6 57.35,110 65.375,101.975 116.7,101.975 121.25,97.425 v1(121.25,96.775) ; v1(121.225,93.275) 122.925,91.575 127.1,91.575 R43.2@127.1,90.25 ; R45.2@122.425,86.525 124.723,86.525 R44.2@124.748,86.55 127.05,86.55 D3.1@127.1,86.5 R43.2@127.1,89.95
  other v1: 67.025,169.725
A: R67.2 R70.1 U9.8 X19.6 | length 22.4
  Top Layer w0.152: v1(86.835,87.88) R70.1@88.41,87.88 ; X19.6@93.65,83.27 93.65,84.62 95.835,86.805 95.835,88.993 U9.8@95.815,89.013 97.268,89.013 R67.2@98.76,90.505
  Bottom Layer w0.152: v1(86.835,87.88) 86.835,86.905 87.71,86.03 93.11,86.03 93.635,85.505 93.635,83.285 X19.6@93.65,83.27
A1: R59.2 R62.1 U8.6 X17.1 | length 11.7
  Top Layer w0.3: X17.1@87.38,99.975 R62.1@91.325,99.975 91.775,99.975 R59.2@94.1,102.3 96.415,99.985 U8.6@97.133,99.985
ADC_IN6: C55.2 R68.1 U1.55 | length 69.3
  Top Layer w0.152: v1@65.007,142.143 U1.55@66.647,142.143 ; v1(67.925,103.275) 67.925,101.875 70.972,98.828 79.422,98.828 79.95,98.3 v1(79.95,97.15) 79.9,97.1 R68.1@78.325,97.1
  Bottom Layer w0.152: v1(65,142.15) 60.975,142.15 58.65,139.825 58.65,111.15 65.4,104.4 66.8,104.4 v1(67.925,103.275) ; C55.2@78.5,97.125 79.925,97.125 v1(79.95,97.15)
ADC_IN7: C45.2 R31.1 U1.56 | length 63.2
  Top Layer w0.152: v1(64.4,97.15) 64.4,101.8 v1(65.85,103.25) ; U1.56@66.647,141.643 68.093,141.643 v1(68.1,141.65)
  Top Layer w0.3: v1(64.4,97.15) R31.1@65.95,97.15
  Bottom Layer w0.152: v1(65.85,103.25) 65.35,103.25 58.15,110.45 58.15,140.05 60.9,142.8 65.525,142.8 66.675,141.65 v1(68.1,141.65)
  Bottom Layer w0.3: v1(64.4,97.15) C45.2@66.075,97.15
ADC_IN14: C50.2 R53.1 U1.57 | length 74.6
  Top Layer w0.152: v1(64.45,85.25) 63.05,85.25 59.925,88.375 59.925,98.6 60.325,99 62,99 63.5,100.5 63.5,102.175 65.85,104.525 v1(65.85,105.575) ; v1(65.007,141.143) U1.57@66.647,141.143
  Top Layer w0.3: v1(64.45,85.25) R53.1@65.975,85.25
  Bottom Layer w0.152: v1(65.007,141.143) 60.718,141.143 59.2,139.625 59.2,111.875 65.5,105.575 v1(65.85,105.575)
  Bottom Layer w0.3: v1(64.45,85.25) C50.2@66,85.25
ADC_IN15: C52.2 R60.1 U1.58 | length 82.9
  Top Layer w0.152: v1(65.4,107.25) 67,105.65 67,101.55 72.3,96.25 72.3,85.7 74.925,83.075 79.5,83.075 80,83.575 80,85.225 v1(79.975,85.25) ; U1.58@66.647,140.643 68.118,140.643 v1(68.125,140.65)
  Top Layer w0.3: R60.1@78.575,85.25 v1(79.975,85.25)
  Bottom Layer w0.152: v1(65.4,107.25) 59.75,112.9 59.75,139.1 61.265,140.615 68.09,140.615 v1(68.125,140.65)
  Bottom Layer w0.3: C52.2@78.225,85.25 v1(79.975,85.25)
B: R70.2 R72.1 U9.7 X19.4 | length 18
  Top Layer w0.152: R72.1@85.225,90.175 88.405,90.175 R70.2@88.41,90.18 89.22,90.18 90.41,88.99 90.41,87.33 91.11,86.63 91.11,84.85 ; X19.4@91.11,83.27 91.11,84.85 ; U9.7@94.545,89.013 94.545,87.02 93.3,85.775 92.035,85.775 91.11,84.85
B1: R56.2 R59.1 U8.7 X17.3 | length 13.3
  Top Layer w0.3: X17.3@87.375,94.9 87.4,94.925 90.525,94.925 91.55,95.95 R56.2@91.55,97.25 94.1,99.8 R59.1@94.1,100 95.385,98.715 U8.7@97.133,98.715
BOOT0: R9.1 U1.197 | length 4.1
  Top Layer w0.152: U1.197@95.847,137.643 97.818,137.643 v1(98.2,138.025)
  Bottom Layer w0.152: v1(98.2,138.025) 98.3,137.925 R9.1@99.75,137.925
CAN1_RX: U1.198 U5.4 | length 48.2
  Top Layer w0.152: U1.198@95.847,138.143 95.882,138.178 97.378,138.178 v1(98.25,139.05) ; v1(103.275,139.45) 102.646,138.821 102.646,134.324 104.917,132.053 104.919,132.053 105.567,131.405 105.567,126.853 107.321,125.099 108.276,125.099 110.975,122.4 110.975,120.555 110.175,119.755 110.175,116.925 110.975,116.125 110.975,115.02 113.046,112.949 115.827,112.949 115.981,113.103 117.597,113.103 119.345,111.355 U5.4@120.192,111.355
  Bottom Layer w0.152: v1(98.25,139.05) 102.875,139.05 v1(103.275,139.45)
CAN1_TX: U1.199 U5.1 | length 57.8
  Top Layer w0.152: U1.199@95.847,138.643 97.093,138.643 97.75,139.3 v1(97.75,139.7) ; v1(103.625,140.25) 103.803,140.072 103.803,139.231 103.625,139.053 103.625,139.05 102.95,138.375 102.95,134.45 105.043,132.357 105.045,132.357 105.871,131.531 105.871,126.979 107.447,125.403 108.597,125.403 111.35,122.65 111.35,120.175 110.5,119.325 110.5,117.425 111.35,116.575 111.35,115.075 113.172,113.253 115.701,113.253 115.855,113.407 118.618,113.407 119.45,112.575 121.375,112.575 122.675,111.275 122.675,108.575 121.645,107.545 U5.1@120.192,107.545
  Bottom Layer w0.152: v1(97.75,139.7) 102.525,139.7 103.075,140.25 v1(103.625,140.25)
DSI_CKN: U1.124 X4.1 | length 9.9
  Top Layer w0.2: U1.124@77.997,115.793 77.997,111.003 79.275,109.725 79.275,106.435 X4.1@79.262,106.422
DSI_CKP: U1.123 X4.2 | length 15.3
  Top Layer w0.2: U1.123@77.497,115.793 77.497,109.353 78.075,108.775 v1(78.075,108.45)
  Bottom Layer w0.2: v1(78.075,108.45) 80.15,108.45 80.95,107.65 80.95,105.57 X4.2@79.262,103.882
DSI_D0N: U1.121 X4.3 | length 9.5
  Top Layer w0.2: U1.121@76.497,115.793 76.497,108.478 76.725,108.25 76.725,106.425 X4.3@76.722,106.422
DSI_D0P: U1.120 X4.5 | length 10.1
  Top Layer w0.152: X4.5@74.182,106.422 74.182,107.657 75.997,109.472 U1.120@75.997,115.793
DSI_D1N: U1.127 X4.4 | length 20.8
  Top Layer w0.2: X4.4@76.722,103.882 76.65,103.81 76.65,102.15 77.025,101.775 79.55,101.775 81.85,104.075 81.85,109.7 79.497,112.053 U1.127@79.497,115.793
DSI_D1P: U1.126 X4.6 | length 25.2
  Top Layer w0.2: X4.6@74.182,103.882 74.175,103.875 74.175,101.775 74.85,101.1 80.7,101.1 81.825,102.225 v1(81.825,103.125) ; U1.126@78.997,115.793 78.997,110.501 79.627,109.871 79.627,109.848 81.125,108.35 v1(81.125,104.725)
  Bottom Layer w0.2: v1(81.125,104.725) 81.125,103.825 v1(81.825,103.125)
FLAG: C54.2 R63.1 R64.2 U1.97 | length 20.3
  Top Layer w0.152: R63.1@56.022,126.503 56.022,122.253 57.132,121.143 U1.97@66.647,121.143
  Top Layer w0.5: C54.2@53.5,124.075 R64.2@53.5,126.503 R63.1@56.022,126.503
FMC_A0: U1.16 U2.25 | length 23
  Top Layer w0.152: v1(79.525,138.375) 80.621,138.375 84.225,141.979 v1(84.225,143.225) ; U1.16@86.497,144.993 86.497,142.953 v1(86.675,142.775)
  Bottom Layer w0.152: U2.25@76.247,131.793 78.748,131.793 80.675,133.72 80.675,137.225 v1(79.525,138.375) ; v1(84.225,143.225) 84.9,143.225 85.175,143.5 85.95,143.5 v1(86.675,142.775)
FMC_A1: U1.17 U2.26 | length 18.1
  Top Layer w0.152: v1(79.9,135.925) 79.9,136.794 85.075,141.969 85.075,143.136 85.997,144.058 U1.17@85.997,144.993
  Bottom Layer w0.152: U2.26@76.247,132.293 78.572,132.293 79.9,133.621 v1(79.9,135.925)
FMC_A2: U1.18 U2.27 | length 18.3
  Top Layer w0.152: v1(78.85,136.425) 79.5,136.425 79.596,136.521 79.596,136.92 84.771,142.095 84.771,143.676 84.81,143.715 85.154,143.715 85.497,144.059 U1.18@85.497,144.993
  Bottom Layer w0.152: U2.27@76.247,132.793 78.175,132.793 79.55,134.168 79.55,135.225 78.85,135.925 v1(78.85,136.425)
FMC_A3: U1.22 U2.60 | length 18.7
  Top Layer w0.152: v1(83.4,142.45) 83.522,142.572 83.522,144.968 U1.22@83.497,144.993 ; v1(85.675,142.85) 85.675,141.775 82.725,138.825 82.725,137.025 v1(85.75,134)
  Bottom Layer w0.152: v1(83.4,142.45) 85.275,142.45 v1(85.675,142.85) ; v1(85.75,134) 85.75,133.425 86.382,132.793 U2.60@87.247,132.793
FMC_A4: U1.23 U2.61 | length 15.4
  Top Layer w0.152: v1(82.675,141.5) 82.6,141.575 82.6,142.475 82.997,142.872 U1.23@82.997,144.993
  Bottom Layer w0.152: v1(82.675,141.5) 82.7,141.475 82.7,138.35 84.249,136.801 84.249,134.24 86.196,132.293 U2.61@87.247,132.293
FMC_A5: U1.24 U2.62 | length 16.6
  Top Layer w0.152: v1(81.925,142.5) 81.929,142.5 82.472,143.043 82.472,144.968 U1.24@82.497,144.993
  Bottom Layer w0.152: v1(81.925,142.5) 81.925,138.612 83.945,136.592 83.945,133.524 85.676,131.793 U2.62@87.247,131.793
FMC_A6: U1.71 U2.63 | length 21.8
  Top Layer w0.152: U1.71@66.647,134.143 66.672,134.168 69.222,134.168 69.94,133.45 81.575,133.45 v1(82.625,132.4)
  Bottom Layer w0.152: v1(82.625,132.4) 83.732,131.293 U2.63@87.247,131.293 U2.63@87.222,131.318
FMC_A7: U1.74 U2.64 | length 21.8
  Top Layer w0.152: U1.74@66.647,132.643 69.709,132.643 70.166,133.1 80.425,133.1 v1(81.375,132.15)
  Bottom Layer w0.152: v1(81.375,132.15) 82.782,130.743 87.197,130.743 U2.64@87.247,130.793
FMC_A8: U1.75 U2.65 | length 21.8
  Top Layer w0.152: U1.75@66.647,132.143 70.198,132.148 70.75,132.7 79.575,132.7 v1(80.775,131.5)
  Bottom Layer w0.152: v1(80.775,131.5) 81.932,130.343 87.197,130.343 U2.65@87.247,130.293
FMC_A9: U1.76 U2.66 | length 22.2
  Top Layer w0.152: U1.76@66.647,131.643 67.647,131.643 67.622,131.668 70.343,131.668 70.925,132.25 74.525,132.25 77.05,129.725 v1(81.725,129.725)
  Bottom Layer w0.152: v1(81.725,129.725) 82.475,129.725 82.789,130.039 85.9,130.039 86.146,129.793 U2.66@87.247,129.793
FMC_A10: U1.77 U2.24 | length 10.1
  Top Layer w0.152: U1.77@66.647,131.143 70.518,131.143 71.225,131.85 73.161,131.85 73.711,131.3 v1(74.425,131.3)
  Bottom Layer w0.152: v1(74.425,131.3) 74.432,131.293 U2.24@76.247,131.293
FMC_A11: U1.78 U2.21 | length 10.6
  Top Layer w0.152: U1.78@66.647,130.643 70.768,130.643 71.275,131.15 73.143,131.15 73.768,130.525 v1(74.9,130.525)
  Bottom Layer w0.152: v1(74.9,130.525) 74.9,130.13 75.237,129.793 U2.21@76.247,129.793
FMC_BA0: U1.131 U2.22 | length 18.8
  Top Layer w0.152: v1(77.775,130.325) v1(79.525,130.325) ; v1(80.9,117.7) 80.839,117.7 81.497,117.042 U1.131@81.497,115.793
  Bottom Layer w0.152: U2.22@76.272,130.318 U2.22@76.247,130.293 77.743,130.293 v1(77.775,130.325) ; v1(79.525,130.325) 80.325,129.525 80.325,128.851 80.825,128.351 80.825,117.775 v1(80.9,117.7)